# Altium PCB UHF_RFID_PROJECT.PcbDoc (part 2 of 3)
Units mm, origin at the board's own origin, x right, y up, seen from the top; angles counter-clockwise.
Board outline 81.68 x 108.59 mm, 6 copper layers (Top Layer, RF_Ground, Power, Gnd, Routing, Bottom_Gnd), stack 1.355 mm thick; 305 components, 201 nets, 970 pads, 479 vias.
Unrouted connection lines stored in the file: 2.
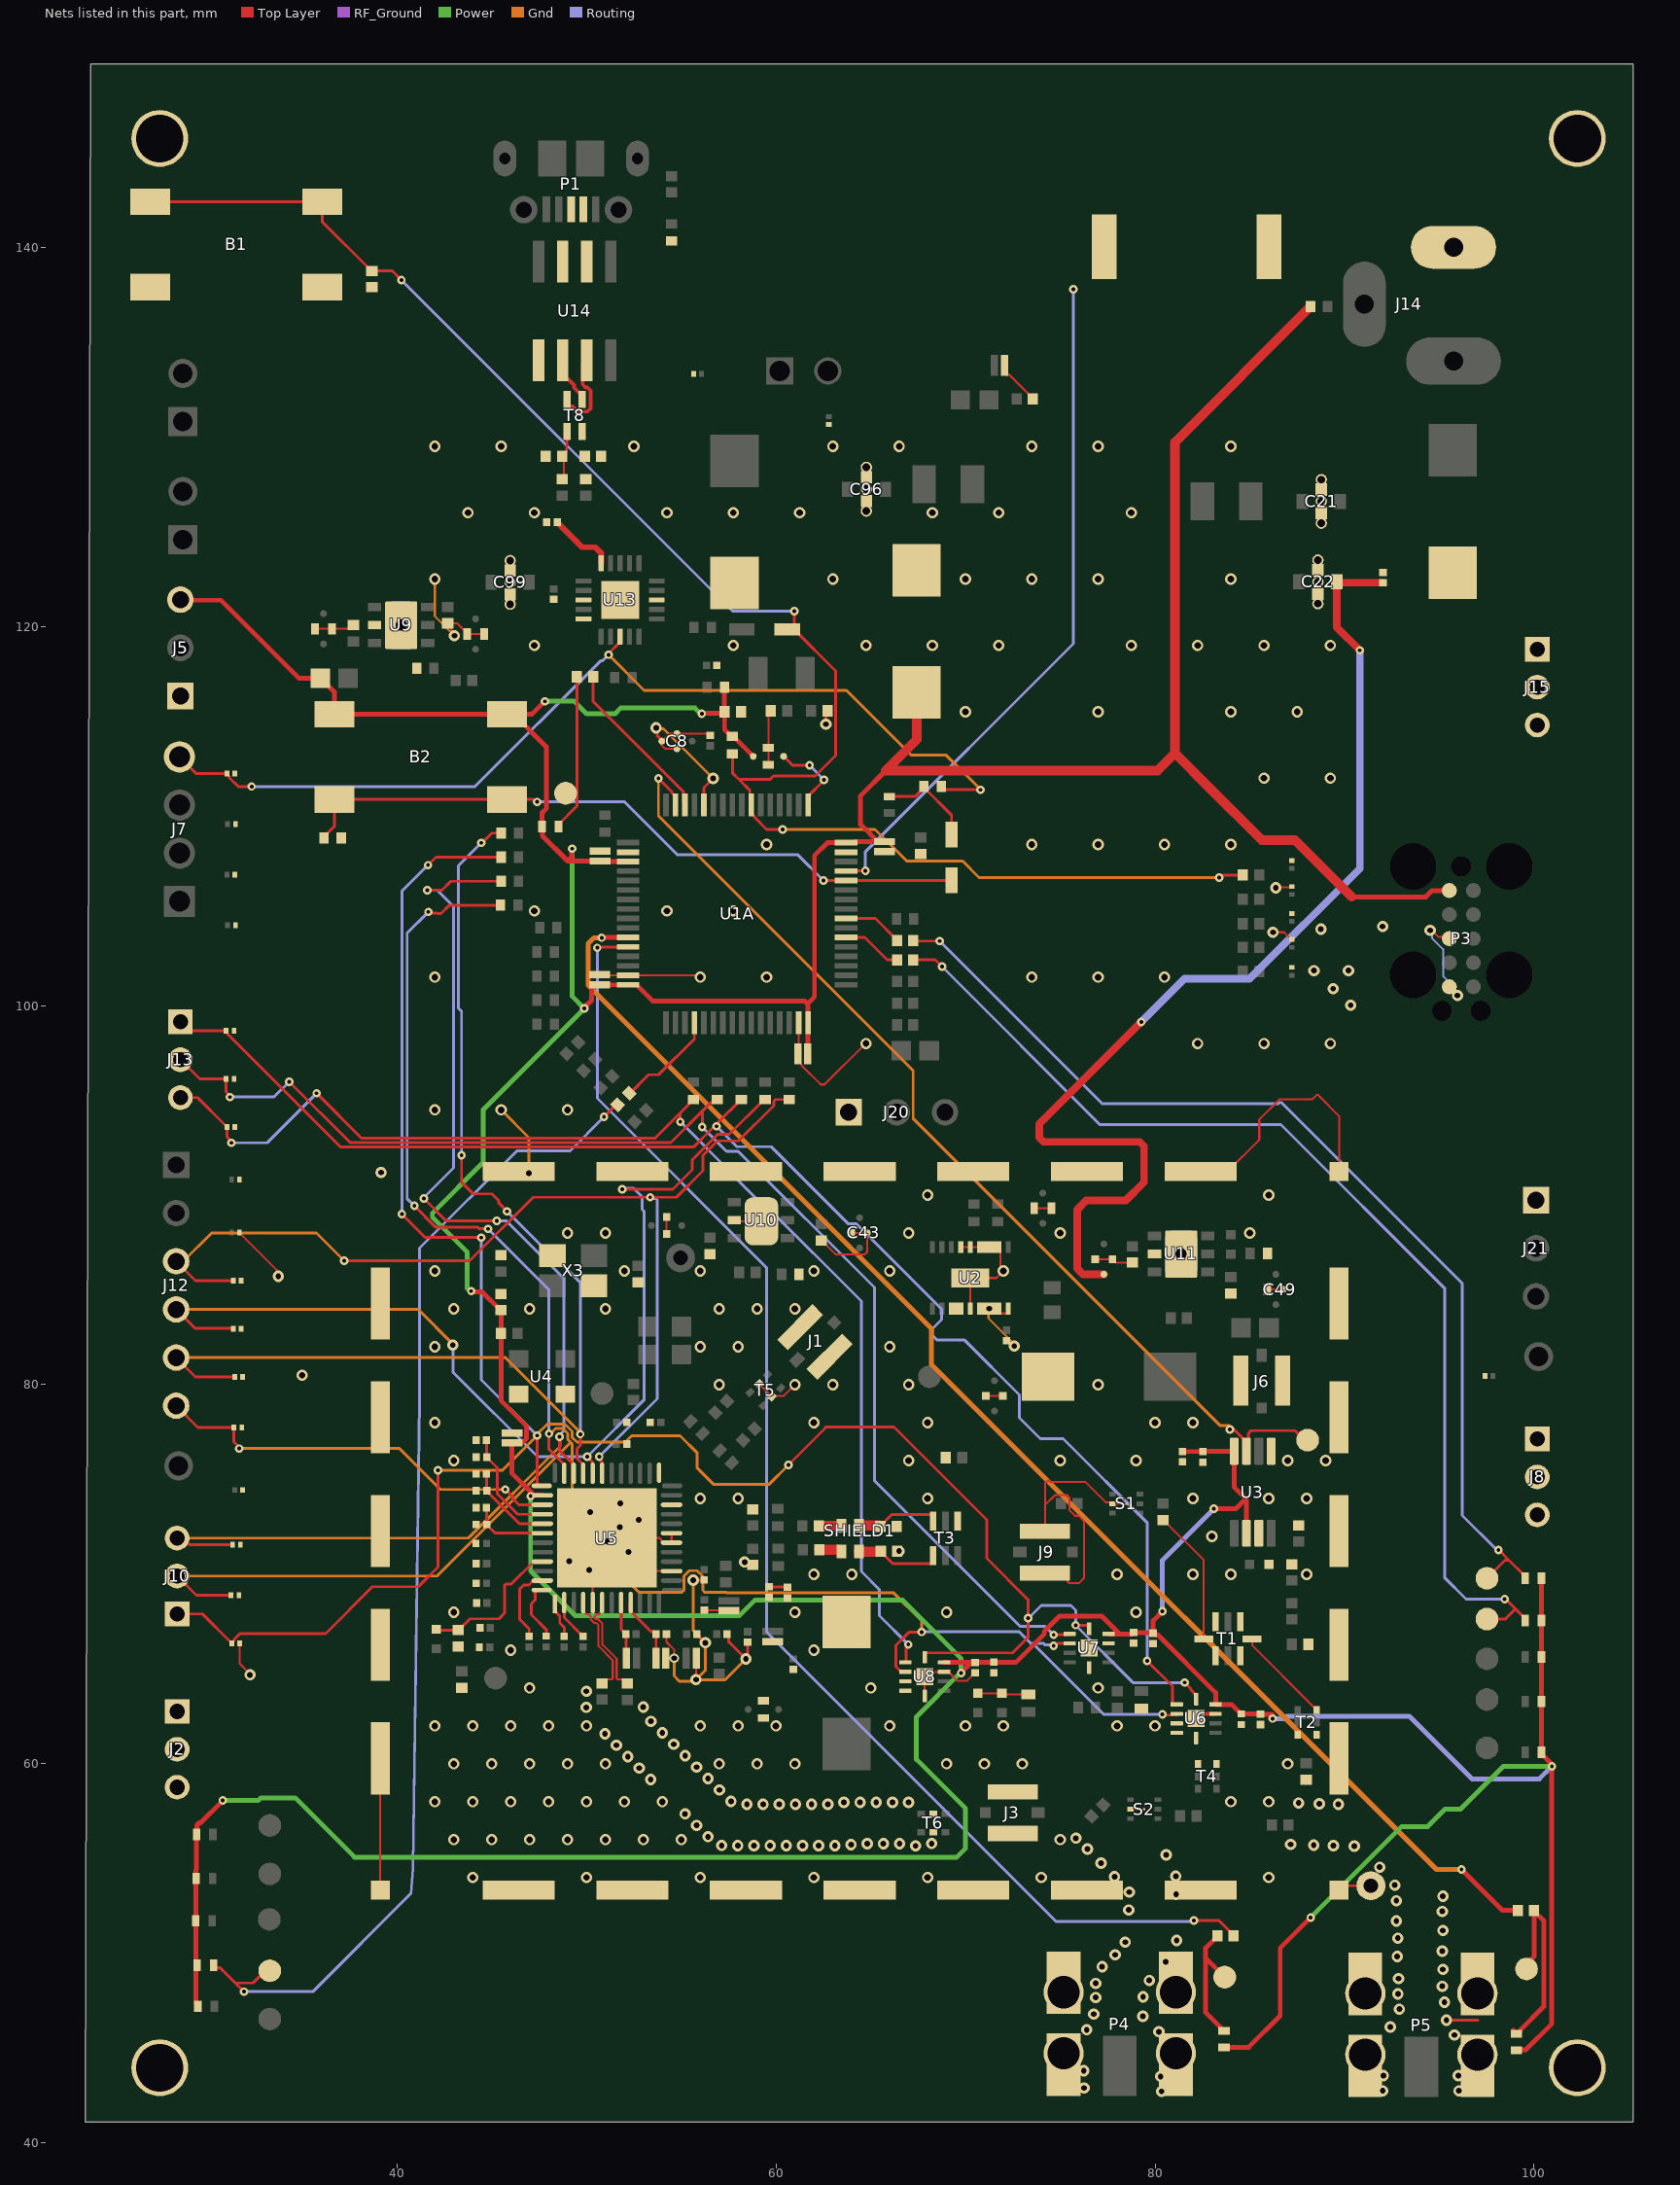
[diagram p6: the nets of this part, all layers, seen from the top]

## Part data
B1 B2: library part TL3301AF160QG, "Tactile Switch SPST-NO Top Actuated Surface Mount", Package=None, Check_prices=https://www.snapeda.com/parts/TL3301AF160QG/E-Switch/view-part/?ref=eda, Digi-Key_Part_Number=EG2526TR-ND, MF=E-Switch, MP=TL3301AF160QG, Purchase-URL=https://pricing.snapeda.com/search/part/TL3301AF160QG/?ref=eda, SnapEDA_Link=https://www.snapeda.com/parts/TL3301AF160QG/E-Switch/view-part/?ref=snap
BZ1: library part PKMCS0909E4000-R1, "Buzzers Transducer, Externally Driven Piezo 1.5V 4kHz 65dB @ 1.5V, 10cm Surface Mount Solder Pads", Package="SMD-2 Murata", Arrow_Electronics-Purchase-URL=https://snapeda.com/shop?store=Arrow+Electronics&id=4970136, Digi-Key_Part_Number=490-9647-1-ND, DigiKey-Purchase-URL=https://snapeda.com/shop?store=DigiKey&id=4970136, MF=Murata, Mouser-Purchase-URL=https://snapeda.com/shop?store=Mouser&id=4970136, MP=PKMCS0909E4000-R1, SnapEDA_Link=https://www.snapeda.com/parts/PKMCS0909E4000-R1/Murata/view-part/4970136/?ref=snap
C1 C3: library part GRM1555C1H1R2WA01D, "SMD Capacitor C0G_EIA_ with Capacitance: 1.2pF Tol. 0.05pF. Rated Voltage: 50Vdc", Package="1005 Taiyo Yuden", Availability=Unavailable, MF="Murata Electronics", MP=GRM1555C1H1R2WA01D, Price=None, SnapEDA_Link=https://www.snapeda.com/parts/GRM1555C1H1R2WA01D/Murata%20Electronics%20North%20America/view-part/1837628/?ref=snap
C2 C8 C16 C39 C41 C43 C45 C47 C49 C91 C104: library part NFM18PS474R0J3D, "Capacitor", Capacitance=470nF, Case Code (Imperial)=0603, Case Code (Metric)=1608, Current=2A, DC Resistance (DCR)=30mR, Insulation Resistance=1GR, Max Operating Temperature=125°C, Max Voltage Rating (DC)=6.3V, Min Operating Temperature=-55°C, Package Quantity=1, Tolerance=20%, Voltage=100V, Case/Package=0603, Current Rating=2A, Depth=0.8mm, Height=0.6mm, Lead Free="Lead Free", Length=1.6mm, Max Current Rating=2A, Mount="Surface Mount", Packaging="Tape and Reel", Radiation Hardening=No, REACH SVHC="No SVHC", Termination=Flat, Voltage Rating=6.3V, Voltage Rating (DC)=6.3V, Width=0.8mm
C4 C5: library part GRM1555C1H150GA01D, "0402 15 pF 50 V Â±2% Tolerance C0G SMT Multilayer Ceramic Capacitor", Package=None, Availability=Unavailable, MP=GRM1555C1H150GA01D, Price=None
C6 C7: library part GJM1555C1H5R6CB01D, "SMD Capacitor C0G(EIA) with Capacitance: 5.6pF Tol. 0.25pF. Rated Voltage: 50Vdc", Package="1005 Taiyo Yuden", Availability=Good, Check_prices=https://www.snapeda.com/parts/GJM1555C1H5R6CB01D/Murata/view-part/4376987/?ref=eda, MF=Murata, MP=GJM1555C1H5R6CB01D, Price=None, Purchase-URL=https://pricing.snapeda.com/search/part/GJM1555C1H5R6CB01D/?ref=eda, SnapEDA_Link=https://www.snapeda.com/parts/GJM1555C1H5R6CB01D/Murata/view-part/4376987/?ref=snap
C9 C10: library part GRM1555C2A4R7CA01D, "Cap Ceramic 4.7pF 100V C0G 0.25pF SMD 0402 125Â°C Paper T/R", Package=None, Availability=Unavailable, MP=GRM1555C2A4R7CA01D, Price=None
C11 C20 C92: library part ECASD41C106M060K00, "10 ÂµF 16 V Aluminum - Polymer Capacitors 2917 (7343 Metric) 60mOhm 1000 Hrs @ 105Â°C", Package="2917 Murata", Check_prices=https://www.snapeda.com/parts/ECASD41C106M060K00/Murata+Electronics+North+America/view-part/?ref=eda, MF="Murata Electronics", MP=ECASD41C106M060K00, SnapEDA_Link=https://www.snapeda.com/parts/ECASD41C106M060K00/Murata+Electronics+North+America/view-part/?ref=snap
C12 C14 C53 C57 C58 C60 C62 C64 C68 C70 C76 C95: library part GRM0335C1H121JA01D, "0201 120 pF 50 V Â±5% Tolerance C0G SMT Multilayer Ceramic Capacitor", Package="0603 Taiyo Yuden", Availability="In Stock", Check_prices=https://www.snapeda.com/parts/GRM0335C1H121JA01D/Murata%20Electronics%20North%20America/view-part/1767262/?ref=eda, MF="Murata Electronics", MP=GRM0335C1H121JA01D, Price=None, Purchase-URL=https://pricing.snapeda.com/search/part/GRM0335C1H121JA01D/?ref=eda, SnapEDA_Link=https://www.snapeda.com/parts/GRM0335C1H121JA01D/Murata%20Electronics%20North%20America/view-part/1767262/?ref=snap
C13 C15 C18 C19 C24 C26 C30 C33 C52 C59 C61 C63 C66 C71 C73 C75 C78 C84 C85 C87 C89 C90 C105: library part GRM033R60J225ME15D, "SMD Capacitor X5R(EIA) with Capacitance: 2.2uF Tol. 20%. Rated Voltage: 6.3Vdc", Package=None, Availability=Unavailable, MP=GRM033R60J225ME15D, Price=None
C17: library part GRM155R71H222KA01D, "SMD capacitor X7R(EIA) with capacitance 2200pF Tol.10%. Rated voltage 50Vdc 125C", Package="1005 Taiyo Yuden", Availability=Good, MF=Murata, MP=GRM155R71H222KA01D, Price=None, Purchase-URL=https://pricing.snapeda.com/search/part/GRM155R71H222KA01D/?ref=eda, SnapEDA_Link=https://www.snapeda.com/parts/GRM155R71H222KA01D/Murata%20Electronics%20North%20America/view-part/326477/?ref=snap
C21 C22 C96 C99: library part NFM21PC105B1A3D, "SMD Capacitor with Capacitance: 1.0uF Tol. 20%. Rated Voltage: 10Vdc", Package=NONSTANDARD, Availability=Unavailable, MF=Murata, MP=NFM21PC105B1A3D, Price=None, SnapEDA_Link=https://www.snapeda.com/parts/NFM21PC105B1A3D/Murata/view-part/4380627/?ref=snap
C23 C106: library part ECASD41C685M070K00, "6.8 µF 16 V Aluminum - Polymer Capacitors 2917 (7343 Metric) 70mOhm 1000 Hrs @ 105°C", Package="2917 Murata", Check_prices=https://www.snapeda.com/parts/ECASD41C685M070K00/Murata/view-part/?ref=eda, MF=Murata, MP=ECASD41C685M070K00, SnapEDA_Link=https://www.snapeda.com/parts/ECASD41C685M070K00/Murata/view-part/?ref=snap
C25 C50: library part GRM155R71C104KA88D, "SMD Capacitor X7R_EIA_ with Capacitance: 0.10uF Tol. 10%. Rated Voltage: 16Vdc", Package="1005 Taiyo Yuden", MF=Murata, MP=GRM155R71C104KA88D, SnapEDA_Link=https://www.snapeda.com/parts/GRM155R71C104KA88D/Murata%20Electronics%20North%20America/view-part/4750/?ref=snap
C27 C28 C29 C31 C67 C69 C77 C83 C86 C88 C98: library part LLL153C80J104ME01E, "SMD Capacitor X6S(EIA) with Capacitance: 0.10uF Tol. 20%. Rated Voltage: 6.3Vdc", Package="0510 Murata", Availability=Good, MF=Murata, MP=LLL153C80J104ME01E, Price=None, Purchase-URL=https://pricing.snapeda.com/search/part/LLL153C80J104ME01E/?ref=eda, SnapEDA_Link=https://www.snapeda.com/parts/LLL153C80J104ME01E/Murata/view-part/4376162/?ref=snap
C32 C35 C36 C54 C65 C93 C94 C107 C108 C109 C112: library part GRM1555C1H820GA01J, "CAP CER 82PF 50V C0G/NP0 0402", Package=None, Availability=Unavailable, MP=GRM1555C1H820GA01J, Price=None
C34 C72 C74: library part GRM0335C1H300GA01D, "SMD Capacitor C0G(EIA) with Capacitance: 30pF Tol. 2%. Rated Voltage: 50Vdc", Package=None, Availability=Unavailable, MP=GRM0335C1H300GA01D, Price=None
C37: library part GRM1555C1H3R6BA01D, "SMD Capacitor C0G(EIA) with Capacitance: 3.6pF Tol. 0.1pF. Rated Voltage: 50Vdc", Package="1005 Taiyo Yuden", Availability=Warning, MF="Murata Electronics", MP=GRM1555C1H3R6BA01D, Price=None, Purchase-URL=https://pricing.snapeda.com/search/part/GRM1555C1H3R6BA01D/?ref=eda, SnapEDA_Link=https://www.snapeda.com/parts/GRM1555C1H3R6BA01D/Murata%20Electronics%20North%20America/view-part/1837607/?ref=snap
C38 C40 C42 C44 C46 C48: library part GRM155R60J225ME95D, "CAPACITOR, MLCC, X5R, 2.2UF, 6.3V, 0402", Package=None, Availability=Unavailable, MP=GRM155R60J225ME95D, Price=None
C51: library part GRM155R6YA224KE01D, "CAP CER 0.22UF 35V X5R 0402", Package=None, Availability=Unavailable, MP=GRM155R6YA224KE01D, Price=None
C55: library part GRM1557U1A392JA01D, "0402 10 V 3900 pF ±5% Tolerance U2J Monolithic Ceramic Chip Capacitor", Package="1005 Taiyo Yuden", Check_prices=https://www.snapeda.com/parts/GRM1557U1A392JA01D/Murata+Electronics+North+America/view-part/?ref=eda, MF=Murata, MP=GRM1557U1A392JA01D, SnapEDA_Link=https://www.snapeda.com/parts/GRM1557U1A392JA01D/Murata+Electronics+North+America/view-part/?ref=snap
C56: library part GRM1555C1H151FA01D, "Cap Ceramic 150pF 50V C0G 1% SMD 0402 125Â°C Paper T/R", Package=None, Availability=Unavailable, MP=GRM1555C1H151FA01D, Price=None
C79 C80 C81 C82: library part GRM033R71A103KA01D, "SMD Capacitor X7R(EIA) with Capacitance: 10000pF Tol. 10%. Rated Voltage: 10Vdc", Package="0603 Taiyo Yuden", Availability=Unavailable, Check_prices=https://www.snapeda.com/parts/GRM033R71A103KA01D/Murata/view-part/4379446/?ref=eda, MF=Murata, MP=GRM033R71A103KA01D, Price=None, SnapEDA_Link=https://www.snapeda.com/parts/GRM033R71A103KA01D/Murata/view-part/4379446/?ref=snap
C97: library part GRM188R61A475KE15D, "SMD Capacitor X5R(EIA) with Capacitance: 4.7uF Tol. 10%. Rated Voltage: 10Vdc", Package="1608 Murata", Availability=Bad, MF=Murata, MP=GRM188R61A475KE15D, Price=None, SnapEDA_Link=https://www.snapeda.com/parts/GRM188R61A475KE15D/Murata%20Electronics%20North%20America/view-part/523427/?ref=snap
C100: library part GRM1555C1H4R0CA01D, "Cap Ceramic 4pF 50V C0G 0.25pF SMD 0402 125Â°C Paper T/R", Package=None, Availability=Unavailable, MP=GRM1555C1H4R0CA01D, Price=None
C101 C102: library part GRM1555C1H470FA01D, "CAP, MLCC, C0G, 47PF, 50V, 0402", Package=None, Availability=Unavailable, MP=GRM1555C1H470FA01D, Price=None
C103: library part GRM033C80J104KE15D, "SMD capacitor X6S(EIA) with capacitance 0.10uF Tol.10%. Rated voltage 6.3Vdc 105C", Package="0603 Taiyo Yuden", Availability="In Stock", Check_prices=https://www.snapeda.com/parts/GRM033C80J104KE15D/Murata+Electronics+North+America/view-part/?ref=eda, MF="Murata Electronics", MP=GRM033C80J104KE15D, Price=None, Purchase-URL=https://pricing.snapeda.com/search/part/GRM033C80J104KE15D/?ref=eda, SnapEDA_Link=https://www.snapeda.com/parts/GRM033C80J104KE15D/Murata+Electronics+North+America/view-part/?ref=snap
C110 C111: library part GJM1555C1H110GB01D, "SMD Capacitor C0G(EIA) with Capacitance: 11pF Tol. 2%. Rated Voltage: 50Vdc", Package="1005 Taiyo Yuden", Digi-Key_Part_Number=490-6072-1-ND, MF=Murata, MP=GJM1555C1H110GB01D, Purchase-URL=https://pricing.snapeda.com/search/part/GJM1555C1H110GB01D/?ref=eda, SnapEDA_Link=https://www.snapeda.com/parts/GJM1555C1H110GB01D/Murata/view-part/4385613/?ref=snap
D1 D2 D3 D4 D5 D6 D7 D8 D11 D12 D13 D16 D17: library part LNJ947W8CRA, "Blue 472nm LED Indication - Discrete 2.9V 0402 (1005 Metric)", Package="0402 Panasonic", Check_prices=https://www.snapeda.com/parts/LNJ947W8CRA/Panasonic+Electronic+Components/view-part/?ref=eda, MF="Panasonic Electronic", MP=LNJ947W8CRA, SnapEDA_Link=https://www.snapeda.com/parts/LNJ947W8CRA/Panasonic+Electronic+Components/view-part/?ref=snap
D9 D10: "Diode Schottky 10 V 3A (DC) Surface Mount SOD-323", Package="SOD-323 STMicroelectronics", Availability="In Stock", Check_prices=https://www.snapeda.com/parts/BAT60JFILM/STMicroelectronics/view-part/?ref=eda, MF=STMicroelectronics, MP=BAT60JFILM, Price=None, Purchase-URL=https://pricing.snapeda.com/search?q=BAT60JFILM&ref=eda, SnapEDA_Link=https://www.snapeda.com/parts/BAT60JFILM/STMicroelectronics/view-part/?ref=snap
D15: library part LNJ247W82RA, "Red 630nm LED Indication - Discrete 1.95V 0402 (1005 Metric)", Package="0402 Panasonic", Availability="In Stock", Check_prices=https://www.snapeda.com/parts/LNJ247W82RA/Panasonic+Electronic+Components/view-part/?ref=eda, MF="Panasonic Electronic", MP=LNJ247W82RA, Price=None, Purchase-URL=https://pricing.snapeda.com/search?q=LNJ247W82RA&ref=eda, SnapEDA_Link=https://www.snapeda.com/parts/LNJ247W82RA/Panasonic+Electronic+Components/view-part/?ref=snap
D20 D21 D22 D23 D24 D25 D26 D27 D28 D29 D30 D31 D32 D33 D34 D35 D36 D37 D38 D45 D47 D48 D49 D50 D52: library part ESDAXLC6-1BU2, "17V Clamp 1A (8/20Âµs) Ipp Tvs Diode Surface Mount ST0201", Package="0201 STMicroelectronics", Check_prices=https://www.snapeda.com/parts/ESDAXLC6-1BU2/STMicroelectronics/view-part/?ref=eda, MF=STMicroelectronics, MP=ESDAXLC6-1BU2, SnapEDA_Link=https://www.snapeda.com/parts/ESDAXLC6-1BU2/STMicroelectronics/view-part/?ref=snap
FB1: library part BLM15PX331SN1D, "330 Ohms @ 100MHz 1 Power Line Ferrite Bead 0402 (1005 Metric) 1.2A 150mOhm", Package="1005 Taiyo Yuden", Availability=Good, MF="Murata Electronics", MP=BLM15PX331SN1D, Price=None, Purchase-URL=https://pricing.snapeda.com/search/part/BLM15PX331SN1D/?ref=eda, SnapEDA_Link=https://www.snapeda.com/parts/BLM15PX331SN1D/Murata/view-part/2723257/?ref=snap
FB2 FB7: library part NFZ32BW310HN11L, "31 Ohms @ 1MHz 1 Ferrite Bead 2-SMD, Flat Lead 1.2A 186mOhm", Package="SMD-2 Murata", Availability=Warning, MF=Murata, MP=NFZ32BW310HN11L, Price=None, Purchase-URL=https://pricing.snapeda.com/search/part/NFZ32BW310HN11L/?ref=eda, SnapEDA_Link=https://www.snapeda.com/parts/NFZ32BW310HN11L/Murata/view-part/2726849/?ref=snap
FB3 FB4 FB5: library part BLM15HG102SN1D, "1 kOhms @ 100MHz 1 Signal Line Ferrite Bead 0402 _1005 Metric_ 250mA 1.1Ohm", Package="1005 Taiyo Yuden", Digi-Key_Part_Number=490-3999-1-ND, Digi-Key_Purchase_URL=https://www.digikey.com/product-detail/en/murata-electronics/BLM15HG102SN1D/490-3999-1-ND/1016259?utm_source=snapeda&utm_medium=aggregator&utm_campaign=symbol, MF=Murata, MP=BLM15HG102SN1D, SnapEDA_Link=https://www.snapeda.com/parts/BLM15HG102SN1D/Murata/view-part/270056/?ref=snap
J1 J3 J6 J9: library part MS-156HF(01), "Coaxial Switch - 4mm Plug Dia Connector Receptacle, Female Socket 50Ohm Surface Mount Solder", Package=None, Availability=Unavailable, MF="Hirose Electric", MP=MS-156HF(01), Price=None, SnapEDA_Link=https://www.snapeda.com/parts/MS-156HF(01)/Hirose%20Electric%20Co%20Ltd/view-part/1243878/?ref=snap
J2 J8 J10 J13 J15: library part CMP-05379-000003-1, "CONN HEADER VERT 3POS 2MM", Current Rating=2A, Manufacturer=3M, Temperature="-55°C to +125°C", Temperature Range High=+125°C, Temperature Range Low=-55°C, Automotive=No, Category=Conn, ComponentLink2Description=Datasheet, ComponentLink2URL=http://multimedia.3m.com/mws/media/1400506O/3m-pin-strip-header-951-series-78-5100-2653-3.pdf, Conn Gender=Male, Conn Orientation=Straight, Contact Material=Gold,Nickel, Device Class L1=Connectors, Device Class L2="Headers and Wire Housings", Device Class L3=unset, Digikey Description="CONN HEADER VERT 3POS 2MM", Height=6.3mm, Lead Free=Yes, Manufacturer Part Number=951103-8622-AR, Mouser Description="Header; PinStrip; CopperAlloy; HighTempThermoplastic; 3Cnts; 1A; RtAngle; 951Series", Number Of Contacts=3, Number Of Rows=1, Octopart=https://octopart.com/951103-8622-ar-3m-14400669, Package=951103-8622-AR, Pitch=2mm, RoHS=TRUE
J4 J11: "Connector Header Through Hole 1 position", Package=None, Availability="In Stock", Check_prices=https://www.snapeda.com/parts/MTSW-101-22-T-S-400/Samtec/view-part/?ref=eda, MF=Samtec, MP=MTSW-101-22-T-S-400, Price=None, Purchase-URL=https://pricing.snapeda.com/search/part/MTSW-101-22-T-S-400/?ref=eda, SnapEDA_Link=https://www.snapeda.com/parts/MTSW-101-22-T-S-400/Samtec/view-part/?ref=snap
J5 J20 J21: "Header; Conn; Interconnect System; PCB Plug; 3 Cont; Thru-Hole; Breakaway; Straight; 3A", Package=None, Availability=Unavailable, Centerline_Pitch="2.54 mm[.1 in]", MF="TE Connectivity", MP=5-146280-3, Number_of_Positions=3, Price=None, Product_Type=Connector, SnapEDA_Link=https://www.snapeda.com/parts/5-146280-3/TE%20Connectivity%20AMP%20Connectors/view-part/2778485/?ref=snap, TE_purchase_URL=https://www.te.com/usa-en/product-5-146280-3.html?te_bu=Cor&te_type=disp&te_campaign=seda_glo_cor-seda-global-disp-prtnr-fy19-seda-model-bom-cta_sma-317_1&elqCampaignId=32493
J7: "Headers & Wire Housings 10129378-904005BLF-HEADER SR VT TH 1*4", Package=None, Availability="In Stock", Check_prices=https://www.snapeda.com/parts/10129378-904005BLF/Amphenol/view-part/?ref=eda, MF=Amphenol, MP=10129378-904005BLF, Price=None, Purchase-URL=https://pricing.snapeda.com/search/part/10129378-904005BLF/?ref=eda, SnapEDA_Link=https://www.snapeda.com/parts/10129378-904005BLF/Amphenol/view-part/?ref=snap
J12: Package=None, Availability=Unavailable, MP=2267062-6, Price=None
J14: "2.0 x 6.5 mm, 2.5 A, Horizontal, Through Hole, Dc Power Jack Connector", Package=None, Availability="In Stock", Check_prices=https://www.snapeda.com/parts/PJ-002A/CUI+Devices/view-part/?ref=eda, CUI_purchase_URL=https://www.cuidevices.com/product/interconnect/connectors/dc-power-connectors/jacks/pj-002a?utm_source=snapeda.com&utm_medium=referral&utm_campaign=snapedaBOM, MF="CUI Devices", MP=PJ-002A, Price=None, Purchase-URL=https://pricing.snapeda.com/search/part/PJ-002A/?ref=eda, SnapEDA_Link=https://www.snapeda.com/parts/PJ-002A/CUI+Devices/view-part/?ref=snap
J30 J31: "Header; Breakaway; 0.100 in.; PC Board; Single; 2; 0.025 in.; 0.12 in.; 3 A", Package=None, Availability=Unavailable, Centerline_Pitch="2.54 mm[.1 in]", EU_RoHS_Compliance=Compliant, MF="TE Connectivity", MP=5-146281-2, Number_of_Positions=2, Price=None, Product_Type=Connector, SnapEDA_Link=https://www.snapeda.com/parts/5-146281-2/TE%20Connectivity%20AMP%20Connectors/view-part/457165/?ref=snap
L1 L2 L3 L4: library part LQW15AN30NG00D, "Inductor with Inductance: 30nH Tol. +/-2%, Package: 0402 (1005)", Package="1005 Murata", Digi-Key_Part_Number=490-6802-1-ND, DigiKey-Purchase-URL=https://snapeda.com/shop?store=DigiKey&id=1502539, MF=Murata, MP=LQW15AN30NG00D, SnapEDA_Link=https://www.snapeda.com/parts/LQW15AN30NG00D/Murata%20Electronics%20North%20America/view-part/1502539/?ref=snap
L10 L15: library part LQW15AN3N6C10D, "FIXED IND 3.6NH 900MA 40 MOHM", Package=None, Availability=Unavailable, MP=LQW15AN3N6C10D, Price=None
L11: library part LQW15AN6N8G00D, "Inductor with Inductance: 6.8nH Tol. +/-2%, Package: 0402 (1005)", Package="1006 Murata", Arrow_Electronics-Purchase-URL=https://snapeda.com/shop?store=Arrow+Electronics&id=555756, Availability=Good, DigiKey-Purchase-URL=https://snapeda.com/shop?store=DigiKey&id=555756, MF=Murata, Mouser-Purchase-URL=https://snapeda.com/shop?store=Mouser&id=555756, MP=LQW15AN6N8G00D, Price=None, SnapEDA_Link=https://www.snapeda.com/parts/LQW15AN6N8G00D/Murata%20Electronics%20North%20America/view-part/555756/?ref=snap
L12: library part LQW15AN5N6C10D, "Ind RF Chip Wirewound 5.6nH 0.2nH 100MHz 30Q-Factor 800mA 0402 Paper T/R", Package=None, Availability=Unavailable, MP=LQW15AN5N6C10D, Price=None
P1: library part 1050170001, "USB - micro B USB 2.0 Receptacle Connector 5 Position Surface Mount, Right Angle; Through Hole", Package=None, Check_prices=https://www.snapeda.com/parts/1050170001/Molex/view-part/?ref=eda, MF=Molex, MP=1050170001, SnapEDA_Link=https://www.snapeda.com/parts/1050170001/Molex/view-part/?ref=snap
P2: "2.54mm Pitch SL Header, Single Row, Right-Angle, LCP, Shrouded, Through Hole, Matte Tin (Sn) Plating, 2 Circuits", Package=None, Availability=Unavailable, MP=1719740002, Price=None
P3: library part 8.06.04_J-LINK_NEEDLE_ADAPTER, "J-LINK 10-PIN NEEDLE ADAPTER", Package=None, Availability="No availability data", Check_prices=https://www.snapeda.com/parts/8.06.04%20J-LINK%20NEEDLE%20ADAPTER/Segger%20Microcontroller%20Systems/view-part/2780259/?ref=eda, MF="Segger Microcontroller", MP="8.06.04 J-LINK NEEDLE ADAPTER", Price=None, SnapEDA_Link=https://www.snapeda.com/parts/8.06.04%20J-LINK%20NEEDLE%20ADAPTER/Segger%20Microcontroller%20Systems/view-part/2780259/?ref=snap
P4 P5: "SMB Connector Jack, Male Pin 50Ohm Board Edge, End Launch Solder", Package=None, Availability=Unavailable, MP=903-723J-51S, Price=None
R1 R2 R3 R54 R55: library part RC0603JR-070RL, "Thick film general purpose", Package=None, Availability=Unavailable, MP=RC0603JR-070RL, Price=None
R4 R5 R14 R15 R17 R18 R19 R42 R46 R50 R51 R52 R53 R64 R65 R66 R81 R82 R83: library part RC0402JR-07220RL, "220 Ohms ±5% 0.063W, 1/16W Chip Resistor 0402 (1005 Metric) Moisture Resistant Thick Film", Package="1005 Panasonic Electronic Components", Check_prices=https://www.snapeda.com/parts/RC0402JR-07220RL/Yageo/view-part/?ref=eda, MF=Yageo, MP=RC0402JR-07220RL, SnapEDA_Link=https://www.snapeda.com/parts/RC0402JR-07220RL/Yageo/view-part/?ref=snap
R6 R7 R8 R9 R10 R11 R12 R13 R20 R34 R36 R37 R38 R39 R40 R43 R56 R57 R58 R89 R90 R91 R92 R93: library part RC0402JR-070RL, Package=None, Availability=Unavailable, MF="{'manufacturer': u'YAGEO'}", MP=RC0402JR-070RL, Price=None
R16 R27 R29 R31 R61: library part RC0402FR-0710KL, "10 kOhms Â±1% 0.063W, 1/16W Chip Resistor 0402 (1005 Metric) Moisture Resistant Thick Film", Package="0402 Yageo", Availability="In Stock", Check_prices=https://www.snapeda.com/parts/RC0402FR-0710KL/Yageo/view-part/?ref=eda, MF=Yageo, MP=RC0402FR-0710KL, Price=None, Purchase-URL=https://pricing.snapeda.com/search?q=RC0402FR-0710KL&ref=eda, SnapEDA_Link=https://www.snapeda.com/parts/RC0402FR-0710KL/Yageo/view-part/?ref=snap
R21: library part RC0402FR-07100RL, "100 Ohms Â±1% 0.063W, 1/16W Chip Resistor 0402 (1005 Metric) Moisture Resistant Thick Film", Package="0402 Yageo", Availability="In Stock", Check_prices=https://www.snapeda.com/parts/RC0402FR-07100RL/Yageo/view-part/?ref=eda, MF=Yageo, MP=RC0402FR-07100RL, Price=None, Purchase-URL=https://pricing.snapeda.com/search/part/RC0402FR-07100RL/?ref=eda, SnapEDA_Link=https://www.snapeda.com/parts/RC0402FR-07100RL/Yageo/view-part/?ref=snap
R22: library part RC0402FR-0751R1L, "Res Thick Film 0402 51.1 Ohm 1% 1/16W ?100ppm/C Molded SMD SMD Paper T/R", Package=None, Availability=Unavailable, MF="{'manufacturer': u'YAGEO'}", MP=RC0402FR-0751R1L, Price=None
R23: library part ERJ2RKF52R3X, Package=None, Availability=Unavailable, MP=ERJ2RKF52R3X, Price=None
R24: library part RC0402FR-07249RL, "Res Thick Film 0402 249 Ohm 1% 1/16W ?100ppm/C Molded SMD SMD Paper T/R", Package=None, Availability=Unavailable, MP=RC0402FR-07249RL, Price=None
R25 R45: library part RC0402FR-0762RL, "RESISTOR, 0402 0.063W 1% 62R; Resistance:62ohm; Resistance Tolerance:Â± 1%; Power Rating:63mW; Voltage Rating:50V; Temperature Coefficient:Â± 100ppm/Â°C; Resistor Element Material:Thick Film; Resistor Case Style:0402; Resistor Mounting:SMD; SVHC:No SVHC (19-Dec-2011); External Depth:0.35mm; External Length / Height:1mm; External Width:0.5mm; No. of Pins:2; Operating Temperature Range:-55Â°C to +155Â°C; Overload Voltage:100V; Package / Case:0402; Series:RC32H; Temperature Coeff. +:100ppm/Â°C; Temperature Coeff. -:100ppm/Â°C", Package=None, Availability=Unavailable, MP=RC0402FR-0762RL, Price=None
R26 R35: library part ERJ2RKF75R0X, Package=None, Availability=Unavailable, MP=ERJ2RKF75R0X, Price=None
R28: library part RC0402FR-0735K7L, "RES SMD 35.7K OHM 1% 1/16W 0402", Package=None, Availability=Unavailable, MP=RC0402FR-0735K7L, Price=None
R30: library part ERJ2RKF4222X, Package=None, Availability=Unavailable, MP=ERJ2RKF4222X, Price=None
R32: library part RCG0402100KFKED, "Res Thick Film 0402 100K Ohm 1% 1/16W Â±100ppm/Â°C Molded SMD", Package=None, Availability=Unavailable, MP=RCG0402100KFKED, Price=None
R33: library part ERJ-2GEJ153X, "15 kOhms ±5% 0.1W, 1/10W Chip Resistor 0402 (1005 Metric) Automotive AEC-Q200 Thick Film", Package="1020-2 Panasonic", Check_prices=https://www.snapeda.com/parts/ERJ-2GEJ153X/Panasonic+Electronic+Components/view-part/?ref=eda, MF="Panasonic Electronic", MP=ERJ-2GEJ153X, SnapEDA_Link=https://www.snapeda.com/parts/ERJ-2GEJ153X/Panasonic+Electronic+Components/view-part/?ref=snap
R41 R47: library part RC0402FR-0727RL, "Surface Mount Thick Film Resistor, RC Series, 27 ohm, 63 mW, - 1%, 50 V, 0402 [1005 Metric]", Package="1005 Panasonic Electronic Components", Digi-Key_Part_Number=YAG3086CT-ND, Digi-Key_Purchase_URL=https://www.digikey.com/product-detail/en/yageo/RC0402FR-0727RL/YAG3086CT-ND/5281951?utm_source=snapeda&utm_medium=aggregator&utm_campaign=symbol, MF=Yageo, MP=RC0402FR-0727RL, SnapEDA_Link=https://www.snapeda.com/parts/RC0402FR-0727RL/Yageo/view-part/938293/?ref=snap
R44: library part RC0402FR-0731K6L, "Thick film general purpose", Package=None, Availability=Unavailable, MP=RC0402FR-0731K6L, Price=None
R86: library part RC0402JR-0720RL, "20 Ohms ±5% 0.063W, 1/16W Chip Resistor 0402 (1005 Metric) Moisture Resistant Thick Film", Package="1005 Panasonic Electronic Components", Check_prices=https://www.snapeda.com/parts/RC0402JR-0720RL/Yageo/view-part/?ref=eda, MF=Yageo, MP=RC0402JR-0720RL, SnapEDA_Link=https://www.snapeda.com/parts/RC0402JR-0720RL/Yageo/view-part/?ref=snap
S1: "RF Switch IC WiMax, WLAN SPDT 6GHz 50Ohm 6-DFN (1.5x1.5)", Package="XFDFN-6 Skyworks Solutions", Availability=Warning, MF="Skyworks Solutions", MP=SKY13431-374LF, Price=None, Purchase-URL=https://pricing.snapeda.com/search/part/SKY13431-374LF/?ref=eda, SnapEDA_Link=https://www.snapeda.com/parts/SKY13431-374LF/Skyworks%20Solutions%20Inc./view-part/1233094/?ref=snap
S2: library part SKY13431-374LF, "RF Switch IC WiMax, WLAN SPDT 6GHz 50Ohm 6-DFN (1.5x1.5)", Package="XFDFN-6 Skyworks Solutions", Availability=Warning, MF="Skyworks Solutions", MP=SKY13431-374LF, Price=None, Purchase-URL=https://pricing.snapeda.com/search/part/SKY13431-374LF/?ref=eda, SnapEDA_Link=https://www.snapeda.com/parts/SKY13431-374LF/Skyworks%20Solutions%20Inc./view-part/1233094/?ref=snap
SHIELD1: "EMI Filters; Board Level Shielding (BLS); STD SHIELD FRAME; CRS-50.80X38.10X5.08MM", Package=None, Availability=Warning, DigiKey-Purchase-URL=https://snapeda.com/shop?store=DigiKey&id=1493072, MF="TE Connectivity", Mouser-Purchase-URL=https://snapeda.com/shop?store=Mouser&id=1493072, MP=2118732-2, Price=None, SnapEDA_Link=https://www.snapeda.com/parts/2118732-2/TE%20Connectivity%20AMP%20Connectors/view-part/1493072/?ref=snap
T1: library part 0900LP15B0063E, "911.5MHz Frequency Low Pass RF Filter (Radio Frequency) 97MHz Bandwidth 0.9dB 0805 (2012 Metric), 8 PC Pad", Package="0805 Johanson", Availability=Bad, MF="Johanson Technology", MP=0900LP15B0063E, Price=None, SnapEDA_Link=https://www.snapeda.com/parts/0900LP15B0063E/Johanson%20Technology%20Inc./view-part/2720562/?ref=snap
T2: library part DC1722J5020AHF, "RF Directional Coupler General Purpose 1.7GHz ~ 2.2GHz 19.9dB 2W 0805 (2012 Metric)", Package="0805 Anaren Microwave", Availability=Unavailable, MF=Anaren, MP=DC1722J5020AHF, Price=None, SnapEDA_Link=https://www.snapeda.com/parts/DC1722J5020AHF/Anaren/view-part/480148/?ref=snap
T3: library part 0900BL15C050E, "Filter", Manufacturer_Name="JOHANSON TECHNOLOGY", Mouser Part Number=609-0900BL15C050E, Arrow Part Number=0900BL15C050E, Arrow Price/Stock=https://www.arrow.com/en/products/0900bl15c050e/johanson-dielectrics?region=europe, Datasheet Link=https://www.johansontechnology.com/datasheets/0900BL15C050/0900BL15C050.pdf, Height=0.8mm, Manufacturer_Part_Number=0900BL15C050E, Mouser Price/Stock=https://www.mouser.co.uk/ProductDetail/Johanson-Technology/0900BL15C050E?qs=yCnrNFeXz%252BjgDEe7ZYwcVg%3D%3D
T4: library part DC0710J5010AHF, "RF Directional Coupler General Purpose 700MHz ~ 1GHz 10.9dB 2W 0805 (2012 Metric)", Package="0805 Anaren Microwave", Availability=Good, DigiKey-Purchase-URL=https://snapeda.com/shop?store=DigiKey&id=480146, MF=Anaren, Mouser-Purchase-URL=https://snapeda.com/shop?store=Mouser&id=480146, MP=DC0710J5010AHF, Price=None, SnapEDA_Link=https://www.snapeda.com/parts/DC0710J5010AHF/Anaren/view-part/480146/?ref=snap
T5 T6: "Signal Conditioning 800-1000MHz 50/100 Ohm IL=.95dB", Package=None, Check_prices=https://www.snapeda.com/parts/BD0810J50100AHF/LM+Technologies/view-part/?ref=eda, MF="ttm technologies", MP=BD0810J50100AHF, SnapEDA_Link=https://www.snapeda.com/parts/BD0810J50100AHF/LM+Technologies/view-part/?ref=snap
T8: library part CMP-0222-00046-2, Ambient Temperature Range High=85°C, Ambient Temperature Range Low=-40°C, Case/Package=0805, Current=370mA, DC Resistance (DCR)=300mΩ, Frequency=100MHz, Inductance=131nH, Max Operating Temperature=125°C, Tolerance=25%, Voltage Rating=50V, Core Material=Ferrite, Current Rating=370mA, Depth=1.2mm, Height=1.2mm, Impedance=90Ω, Lead Free="Lead Free", Length=2mm, Max Current Rating=370mA, Max DC Current=370mA, Min Operating Temperature=-40°C, Mount="Surface Mount", NexarPartId=22803305, Number of Lines=2, Number of Pins=4, Packaging=Digi-Reel®, REACH SVHC="No SVHC", Resistance=300mΩ, RoHS=Compliant, Termination=SMD/SMT, Test Frequency=100MHz, Voltage Rating (AC)=50V, Voltage Rating (DC)=50V, Weight=11.991848mg, Width=1.2mm
U1A: "ARMÂ® CortexÂ®-M4 STM32L4 Microcontroller IC 32-Bit Single-Core 80MHz 1MB (1M x 8) FLASH 64-LQFP (10x10)", Package="LQFP-64 STMicroelectronics", Availability="In Stock", Check_prices=https://www.snapeda.com/parts/STM32L476RGT6/STMicroelectronics/view-part/?ref=eda, MF=STMicroelectronics, MP=STM32L476RGT6, Price=None, Purchase-URL=https://pricing.snapeda.com/search?q=STM32L476RGT6&ref=eda, SnapEDA_Link=https://www.snapeda.com/parts/STM32L476RGT6/STMicroelectronics/view-part/?ref=snap
U2: "RF Amplifier 699-960MHz PAE 31% Gain 35.5dB", Package=None, Availability=Warning, MF=Qorvo, MP=TQP9107, Price=None, Purchase-URL=https://pricing.snapeda.com/search/part/TQP9107/?ref=eda, SnapEDA_Link=https://www.snapeda.com/parts/TQP9107/Qorvo/view-part/1064589/?ref=snap
U3: library part MAX4003EUA+T, "100MHz to 2500MHz, 45dB RF Detector in a UCSP", Package="MICRO MAX-8 Maxim", Check_prices=https://www.snapeda.com/parts/MAX4003EUA+T/Analog+Devices/view-part/?ref=eda, MF="Analog Devices", MP=MAX4003EUA+T, SnapEDA_Link=https://www.snapeda.com/parts/MAX4003EUA+T/Analog+Devices/view-part/?ref=snap
U4: library part TXETDCSANF-20.000000, "20MHz TCXO Clipped Sine Wave Oscillator 2.8V ~ 3.3V 4-SMD, No Lead", Package="SMD-4 Taitien", Availability=Warning, MF=Taitien, MP=TXETDCSANF-20.000000, Price=None, Purchase-URL=https://pricing.snapeda.com/search/part/TXETDCSANF-20.000000/?ref=eda, SnapEDA_Link=https://www.snapeda.com/parts/TXETDCSANF-20.000000/Taitien/view-part/3601305/?ref=snap
U5: "Integrated Circuit", Manufacturer_Name=STMicroelectronics, Mouser Part Number=511-ST25RU3993-BQFT, Arrow Part Number=ST25RU3993-BQFT, Arrow Price/Stock=https://www.arrow.com/en/products/st25ru3993-bqft/stmicroelectronics?region=nac, Datasheet Link=https://www.st.com/resource/en/datasheet/st25ru3993.pdf, Height=1mm, Manufacturer_Part_Number=ST25RU3993-BQFT, Mouser Price/Stock=https://www.mouser.co.uk/ProductDetail/STMicroelectronics/ST25RU3993-BQFT?qs=VBQ3p0kw5tgG4N%252BXfjyUgw%3D%3D
U6 U7 U8: "Murata Digitally Tunable Capacitor (100-3000 MHz) 0.9-4.6pF, SPI Interface", Package=None, Availability=Bad, MF=pSemi, MP=PE64906MLAA-Z, Price=None, SnapEDA_Link=https://www.snapeda.com/parts/PE64906MLAA-Z/pSemi/view-part/4991719/?ref=snap
U9 U10 U11: "Ð›Ð¸Ð½ÐµÐ¹Ð½Ñ‹Ð¹ Ñ€ÐµÐ³ÑƒÐ»ÑÑ‚Ð¾Ñ€ Ð½Ð°Ð¿Ñ€ÑÐ¶ÐµÐ½Ð¸Ñ IC Ñ Ð¿Ð¾Ð»Ð¾Ð¶Ð¸Ñ‚ÐµÐ»ÑŒÐ½Ñ‹Ð¼ Ñ€ÐµÐ³ÑƒÐ»Ð¸Ñ€Ð¾Ð²Ð°Ð½Ð¸ÐµÐ¼ 1 Ð²Ñ‹Ñ…Ð¾Ð´ 1A 6-DFN (3x3)", Package="DFN-6 STMicroelectronics", Check_prices=https://www.snapeda.com/parts/LD39100PUR/STMicroelectronics/view-part/?ref=eda, MF=STMicroelectronics, MP=LD39100PUR, SnapEDA_Link=https://www.snapeda.com/parts/LD39100PUR/STMicroelectronics/view-part/?ref=snap
U13: "USB2.0 Full Speed IC offers a compact bridge to full handshake UART Interface", Package=None, Availability=Unavailable, MP=FT231XQ-R, Price=None
U14: "- Clamp - Ipp Tvs Diode Surface Mount 8-SOIC", Package="SOIC-8 STMicroelectronics", Check_prices=https://www.snapeda.com/parts/USB6B1RL/STMicroelectronics/view-part/?ref=eda, MF=STMicroelectronics, MP=USB6B1RL, SnapEDA_Link=https://www.snapeda.com/parts/USB6B1RL/STMicroelectronics/view-part/?ref=snap
X1: "32.768 kHz Â±20ppm Crystal 6pF 70 kOhms 2-SMD, No Lead", Package="SMD-2 NDK", Check_prices=https://www.snapeda.com/parts/NX3215SA-32.768K-STD-MUA-14/NDK+America%252C+Inc./view-part/?ref=eda, MF="NDK America,", MP=NX3215SA-32.768K-STD-MUA-14, SnapEDA_Link=https://www.snapeda.com/parts/NX3215SA-32.768K-STD-MUA-14/NDK+America%252C+Inc./view-part/?ref=snap
X3: library part NX3225SA-20.000000MHZ-B2, "Crystal or Oscillator", Manufacturer_Name=NDK, Mouser Part Number=344-NX3225SA20MHZB2, Datasheet Link=https://media.digikey.com/pdf/Data%20Sheets/NDK%20PDFs/NX3225SA-20.000000MHz-B2.pdf, Height=0.7mm, Manufacturer_Part_Number=NX3225SA-20.000000MHZ-B2, Mouser Price/Stock=https://www.mouser.co.uk/ProductDetail/NDK/NX3225SA-20.000000MHZ-B2?qs=w%2Fv1CP2dgqr91JjcOyduEA%3D%3D

## Free pads (board coordinates)
  rect 0.4x0.6 smd mask+0.01: 2(43.7,119.6) 2(44.6,119.6) 2(73.629,89.311) 4(74.529,89.311) 9(85.925,85.025) 18(35.675,119.875) 19(36.575,119.875)
  rect 0.6x0.4 smd mask+0.01: 2(59.334,62.421) 2(59.334,63.321) 2(59.6,113.6) 4(59.6,112.7)
  rect 0.4x0.4 smd mask+0.01: 6(63.965,88.007) 11(71.077,79.409) 12(71.977,79.409) 13(54.229,87.948) 15(54.229,88.848) 16(76.85,86.625) 17(77.75,86.625)
  round 1.524 hole 0.762 mask+0.01: 14(54.966,86.69) 31(91.389,53.569)
  round 0.6 hole 0.3 mask+0.01: 38(39.16,91.192)
  round 0.762 smd mask+0.01: 39(96.799,103.53)
  rrect50% 1.778x2.54 smd mask+0.01: E.P.(59.233,88.621)
  round 3 hole 2.5 mask+0.01: MH1(102.286,145.745) MH2(27.483,145.745) MH3(27.483,43.967) MH4(102.286,43.967)

## Via types
v1: diameter 0.45, hole 0.2, Top Layer to Bottom_Gnd, tented both sides, 175 vias
v2: diameter 0.6, hole 0.35, Top Layer to Bottom_Gnd, tented both sides, 169 vias
v3: diameter 0.6, hole 0.3, Top Layer to Bottom_Gnd, tented both sides, 133 vias
v4: diameter 0.55, hole 0.3, Top Layer to Bottom_Gnd, tented both sides, 1 vias
v5: diameter 0.5, hole 0.3, Top Layer to Bottom_Gnd, tented both sides, 1 vias

## Nets (pads, with @x,y where several pads share a name; then routed paths per layer and width w, separated by ;. In a path a pad name is that pad's centre, name@x,y a point inside that pad or via, vN(x,y) a via of type N, cw(c..) or ccw(c..) an arc to the next point about the centre after c; other vN are vias at no path point)
3V3: B2.3 B2.4 C2.1 C11.1 C15.2 C18.2 C19.2 C27.2 C28.2 C29.2 C31.2 C50.2 C53.2 C68.2 C69.2 C70.2 C87.2 C95.2 D1.A D2.A D3.A D4.A D5.A D6.A D7.A D8.A D11.A D12.A D13.A D16.A D17.A FB3.1 FB4.1 J5.3 P3.1 R1.2 R6.2 R32.2 R61.2 U1A.19 U1A.32 U1A.48 U1A.64 U3.2 U3.8 U5.38 U6.4 U7.4 U8.4 | length 390.7
  Top Layer w0.25: 82.82,111.501 82.86,111.501
  Top Layer w0.254: J5.3@28.575,121.412 28.6,121.387 30.709,121.387 34.82,117.275 R1.2@35.955,117.275 35.965,117.275 36.7,116.54 B2.3@36.7,115.375 B2.4@45.8,115.375 B2.4@46.15,115.375 ; D6.A@29.473,47.217 D6.A@29.49,47.2 29.49,47.3 29.38,47.41 D12.A@29.38,51.725 29.38,54.395 29.425,54.44 D7.A@29.425,56.275 29.444,56.294 29.444,56.765 29.571,56.891 29.637,56.891 v1(30.81,58.064) ; v1(43.917,84.938) 43.954,84.9 44.492,84.9 45.462,83.93 C50.2@45.492,83.93 FB4.1@45.492,82.711 45.492,79.159 46.842,77.809 46.842,77.174 46.658,76.991 46.139,76.991 C69.2@46.076,76.928 46.076,75.326 47.168,74.233 U5.38@47.235,74.166 ; v1(47.052,74.117) 47.105,74.117 47.146,74.159 47.228,74.159 U5.38@47.235,74.166 ; U5.38@47.67,74.166 U5.38@47.235,74.166 ; v1(47.803,116.053) 47.125,115.375 B2.4@46.15,115.375 ; v1(49.251,108.28) 49.213,108.243 49.213,107.826 49.011,107.624 ; v1(49.886,99.847) 49.886,99.9 50.275,100.29 50.275,101.036 50.338,101.099 C28.2@50.698,101.099 50.701,101.097 52.642,101.097 53.511,100.228 61.522,100.228 61.671,100.08 ; U1A.19@52.194,107.595 52.179,107.609 50.739,107.609 C27.2@50.725,107.624 49.011,107.624 ; v1(56.083,115.392) 56.121,115.43 57.216,115.43 FB3.1@57.286,115.5 ; R6.2@57.275,116.8 57.281,116.794 57.281,115.505 FB3.1@57.286,115.5 ; C2.1@58.8,113.15 58.8,113.155 57.755,114.2 R61.2@57.7,114.2 57.645,114.2 57.286,114.559 FB3.1@57.286,115.5 ; C29.2@61.68,97.459 61.687,97.466 61.687,99.088 U1A.48@61.694,99.095 61.694,100.124 62.03,100.461 62.03,107.912 62.713,108.595 U1A.64@63.694,108.595 64.144,108.595 64.202,108.653 C31.2@65.366,108.653 ; C31.2@65.726,108.653 C31.2@65.366,108.653 ; 65.786,112.395 64.465,111.074 64.465,109.554 C31.2@65.366,108.653 ; U8.4@68.875,65.35 68.878,65.347 70.498,65.347 C18.2@70.501,65.344 70.51,65.353 71.491,65.353 C53.2@71.5,65.362 72.669,65.362 74.164,66.858 74.164,66.993 74.962,67.791 77.189,67.791 78.13,66.85 ; v1(69.774,64.795) 69.774,64.823 70.226,65.276 ; U7.4@77.55,66.85 78.13,66.85 ; v1(80.391,68.047) 79.9,67.556 C87.2@79.9,66.894 ; C15.2@81.45,76.469 81.453,76.472 82.522,76.472 C70.2@82.525,76.475 84.16,76.475 U3.8@84.175,76.49 84.175,74.596 84.819,73.952 ; v1(83.109,73.457) 84.263,73.457 84.759,73.952 84.819,73.952 ; D16.A@83.66,45.062 D16.A@83.641,45.043 84.94,45.043 86.604,46.707 86.604,50.282 v1(88.214,51.892) ; U3.2@84.819,72.166 84.819,73.952 ; 86.174,62.617 86.174,62.424 v1(86.212,62.387) ; 86.174,62.617 C19.2@85.57,62.617 85.561,62.626 84.553,62.626 84.549,62.63 84.047,63.132 U6.4@83.194,63.132 83.194,63.756 80.124,66.826 79.968,66.826 C87.2@79.9,66.894 ; 90.376,105.738 94.288,105.738 94.621,106.07 P3.1@95.529,106.07 ; D17.A@99.075,44.89 99.094,44.909 99.565,44.909 100.94,46.284 v1(100.94,59.868) 100.902,59.905 100.902,60.007 100.396,60.513 D3.A@100.396,60.613 D11.A@100.396,63.288 D5.A@100.396,65.638 D2.A@100.396,67.563 D4.A@100.396,69.788 ; B2.4@46.15,115.375 47.875,113.65 47.875,110.383 47.655,110.163 D1.A@47.655,109.45 47.674,109.431 47.674,108.96 49.011,107.624 ; 78.13,66.85 78.79,66.85 78.865,66.925 C95.2@78.875,66.925 78.891,66.909 79.884,66.909 C87.2@79.9,66.894
  Top Layer w0.5: C11.1@67.425,116.525 67.425,114.034 65.786,112.395 80.137,112.395 81.051,113.309 ; R32.2@88.214,136.881 88.214,136.836 88.209,136.831 88.164,136.831 81.051,129.718 81.051,113.309 ; 90.376,105.738 87.391,108.722 85.638,108.722 82.86,111.501 81.051,113.309
  Power w0.254: v1@30.848,58.102 v1(30.81,58.064) 32.682,58.064 32.82,58.202 34.638,58.202 37.762,55.078 69.542,55.078 70.005,55.541 70.005,57.641 67.415,60.231 67.415,62.479 69.731,64.795 v1(69.774,64.795) 69.774,65.549 66.696,68.627 58.882,68.627 58.08,67.826 49.401,67.826 47.052,70.175 v1(47.052,74.117) ; v1(43.917,84.938) 43.864,84.938 43.715,85.086 43.713,85.086 43.713,86.995 41.87,88.838 41.87,89.048 44.552,91.73 44.552,94.513 v1(49.886,99.847) 49.251,100.482 v1(49.251,108.28) ; v1(47.803,116.053) 49.353,116.053 50.01,115.396 51.506,115.396 51.804,115.693 55.729,115.693 56.03,115.392 v1(56.083,115.392) ; v1(88.214,51.892) 93.015,56.693 94.386,56.693 95.301,57.607 96.114,57.607 98.374,59.868 v1(100.94,59.868)
  Routing w0.254: v1(80.391,68.047) 80.391,70.739 v1(83.109,73.457) ; v1(86.212,62.387) 86.822,62.387 86.945,62.509 93.421,62.509 96.723,59.207 100.279,59.207 v1(100.94,59.868)
3V3OUT: C103.2 U13.10 | length 3.9
  Top Layer w0.15: C103.2@48.462,125.49 C103.2@48.462,125.5 ; U13.10@50.715,123.646 50.775,123.586 U13.10@50.775,123.335
  Top Layer w0.3: C103.2@48.462,125.49 49.771,124.181 50.47,124.181 50.775,123.875 U13.10@50.775,123.335
6V: C22.3 C24.2 C47.1 | length 57.7
  Top Layer w0.15: C22.3@89.595,122.352 C22.3@89.641,122.306
  Top Layer w0.4: C47.1@77.3,85.825 76.198,85.825 75.891,86.132 75.891,89.237 76.373,89.719 78.456,89.719 79.419,90.682 79.419,92.578 79.185,92.812 74.123,92.812 73.889,93.046 73.889,93.751 v1(79.273,99.136) ; C22.3@89.595,122.352 89.595,119.955 v1(90.805,118.745) ; C22.3@89.641,122.306 C24.2@92.035,122.306
  Routing w0.4: v1(79.273,99.136) 81.555,101.418 84.988,101.418 90.805,107.235 v1(90.805,118.745)
ADC: D38.1 J12.6 U5.39 | length 22
  Top Layer w0.15: J12.6@28.35,78.891 29.493,77.748 D38.1@31.398,77.748 31.398,76.989 31.674,76.713 v1(31.674,76.632) ; v1(45.72,74.473) 46.124,74.068 46.124,73.972 46.431,73.666 U5.39@47.67,73.666
  Gnd w0.15: v1(31.674,76.632) 40.132,76.632 42.291,74.473 v1(45.72,74.473)
AGD: C63.2 C64.2 U5.42 | length 4
  Top Layer w0.15: C63.2@44.722,73.515 44.728,73.509 44.728,72.633 C64.2@44.735,72.626 44.735,72.616 45.185,72.166 U5.42@47.67,72.166
ANT1: D16.C R82.2 TP14.TP? | length 7.1
  Top Layer w0.254: R82.2@83.286,50.927 83.286,50.897 82.677,50.288 82.677,49.748 ; D16.C@83.641,45.913 83.541,45.913 83.468,45.986 83.468,46.086 82.677,46.877 82.677,49.748 ; TP14.TP?@83.675,48.75 82.677,49.748